# Altium PCB nova34_sketch.PcbDoc (part 4 of 4) (continued)
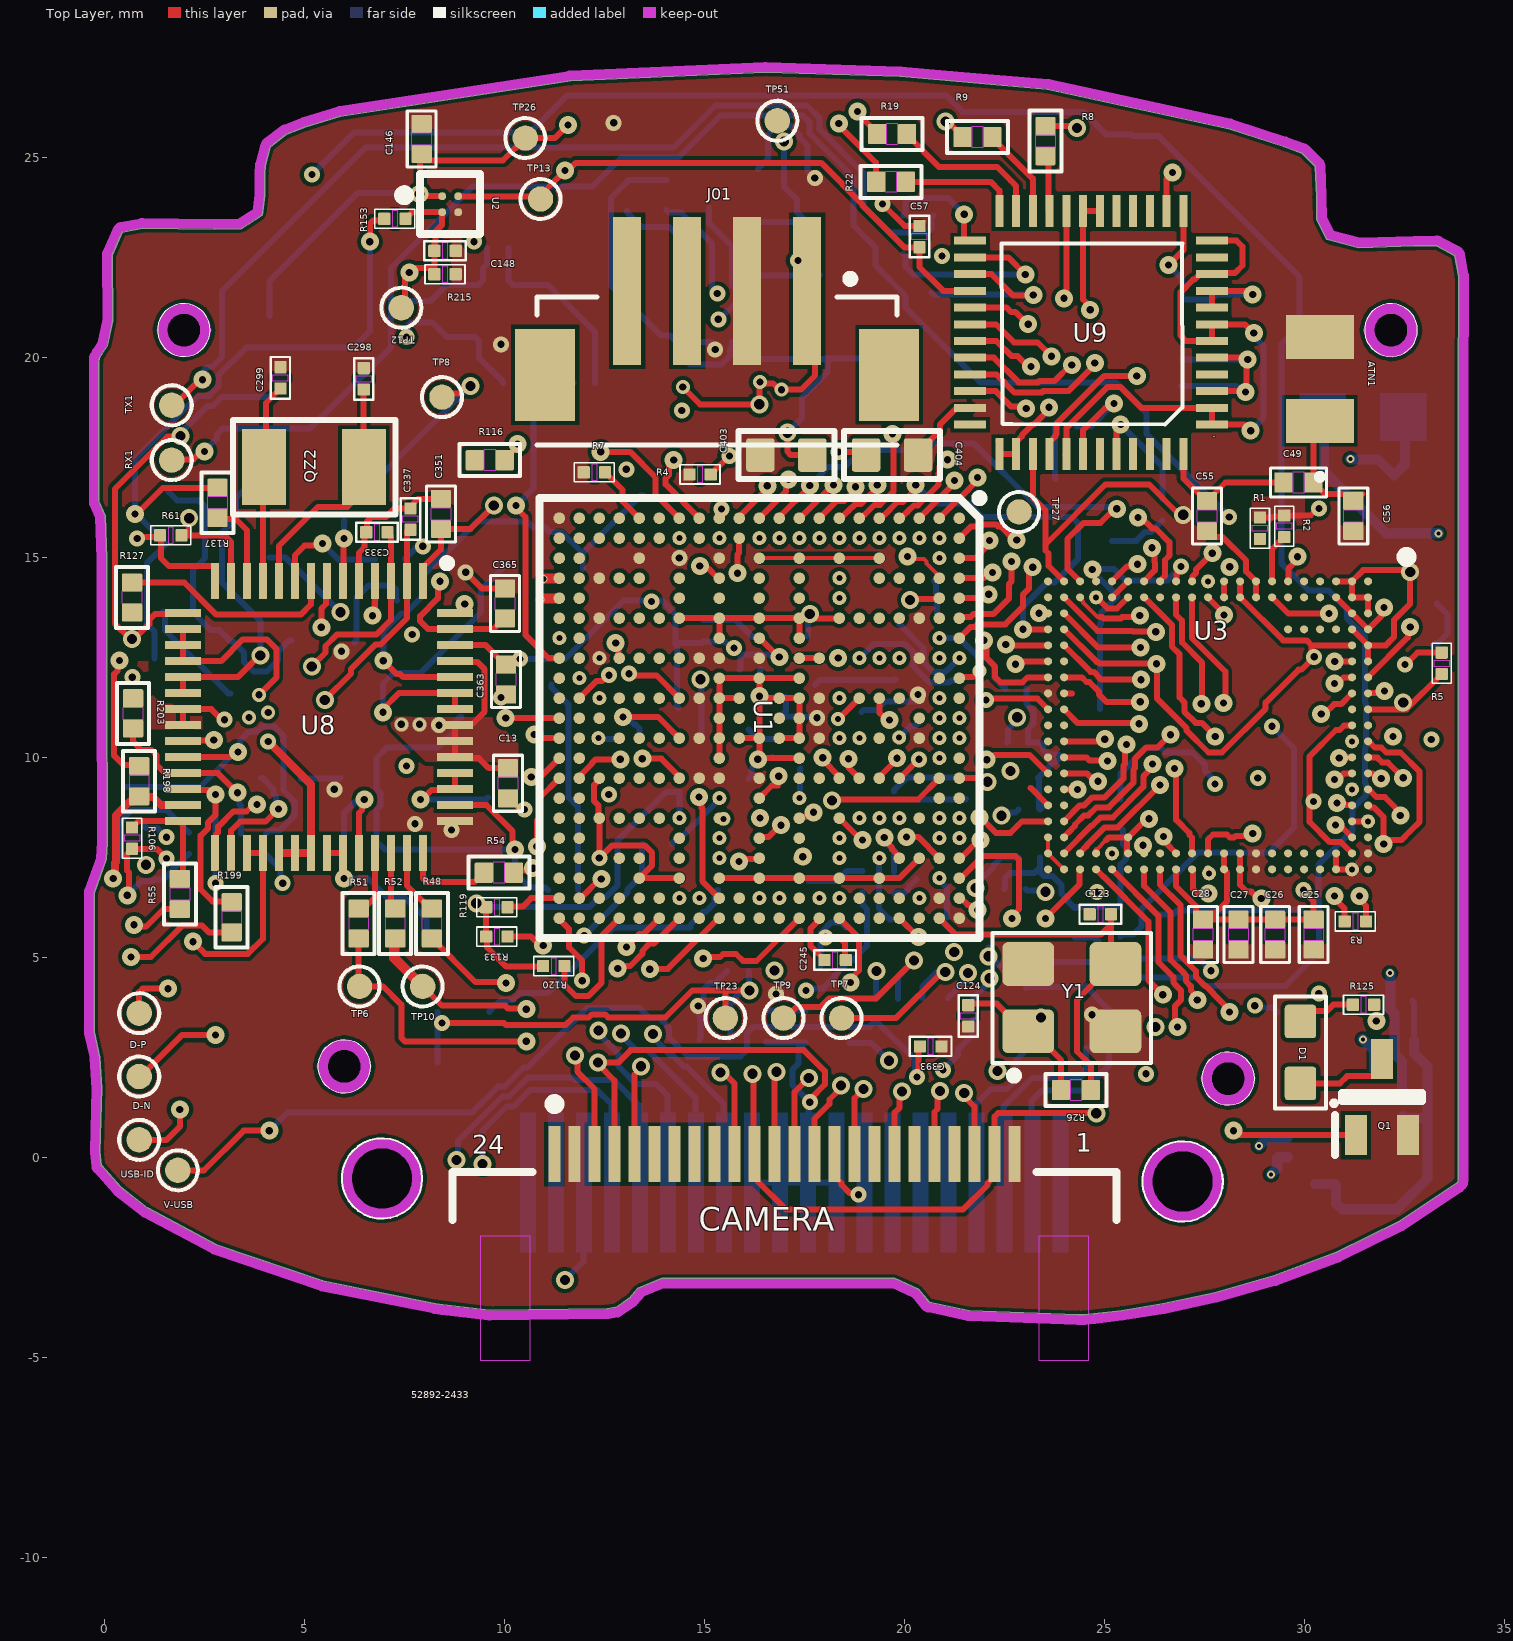
[diagram p0: Top Layer view]
## Polygon pours and split planes (outlines as drawn) (continued)
NVCC_DRAM on Bottom Layer "NVCC_DRAM_L08_P032" (solid, pour order 32): 24.232,14.326 24.333,14.427 25.095,14.427 25.095,11.018 24.923,10.846 24.206,10.846
VDD_1V8 on Bottom Layer "VDD_1V8_L08_P035" (solid, remove dead copper, pour order 35): 13.818,8.484 13.818,6.452 14.712,6.452 14.834,6.655 14.834,6.706 14.834,8.484
VDD_3V3 on Bottom Layer "VDD_3V3_L08_P036" (solid, pour order 36): 18.364,22.301 19.152,22.301 19.152,20.371 19.355,20.168 19.355,19.926 18.377,19.926 18.364,19.939
VDD_3V3 on Bottom Layer "VDD_3V3_L08_P037" (solid, remove dead copper, pour order 37): 13.767,20.777 14.275,20.777 14.275,20.091 14.427,19.939 17.983,19.939 17.983,19.66 13.767,19.66
NVCC_SNVS_1V8 on Bottom Layer "NVCC_SNVS_1V8_L08_P040" (solid, remove dead copper, pour order 40): 19.638,3.616 21.908,3.616 21.971,3.553 21.971,3.175 19.66,3.175 19.634,3.2
VDD_3V3 on Bottom Layer "VDD_3V3_L08_P039" (solid, remove dead copper, pour order 39): 3.204,7.807 4.346,7.807 4.346,7.445 4.14,7.239 3.2,7.239
VDD_1V8 on Bottom Layer "VDD_1V8_L08_P038" (solid, remove dead copper, pour order 38): 1.908,7.782 3.051,7.782 3.051,7.42 2.845,7.214 1.905,7.214
VDD_3V3 on Bottom Layer "VDD_3V3_L08_P034" (solid, remove dead copper, pour order 34): 15.545,20.625 15.875,20.625 15.875,20.168 19.329,20.168 19.355,20.193 19.355,19.66 15.646,19.66 15.545,19.761
NVCC_DRAM on Bottom Layer "NVCC_DRAM_L08_P021" (solid, remove dead copper, pour order 21): 26.728,21.641 26.712,21.625 26.712,18.495 27.181,18.495 27.661,18.974 27.661,21.641
VDD_ARM on Bottom Layer "VDD_ARM_L08_P009" (solid, remove dead copper, pour order 9): 26.619,12.465 26.645,12.49 29.87,12.49 29.87,13.614 29.896,13.64 29.743,13.792 26.619,13.792
VDD_1V8 on Int1 (Sign) "VDD_1V8_L02_P049" (solid, remove dead copper, pour order 49): -4.623,31.039 29.82,31.039 35.763,25.095 34.798,24.13 34.798,-3.734 -2.489,-3.734 -3.226,-2.997
VDD_3V3 on Int3 (Sign) "VDD_3V3_L04_P046" (solid, remove dead copper, pour order 46): -3.886,28.499 -3.632,28.245 35.408,28.245 35.408,0.127 31.877,-3.404 -3.759,-3.404
VDD_3V3 on Int4 (Sign) "VDD_3V3_L05_P048" (solid, remove dead copper, pour order 48): -3.378,28.905 -3.2,28.727 36.119,28.727 36.119,-0.991 33.35,-3.759 33.274,-3.683 -3.48,-3.683
GND on Int6 (Sign) "GND_L07_P050" (solid, remove dead copper, pour order 50): -2.845,28.753 -1.905,29.693 36.068,29.693 36.068,-3.912 35.89,-4.089 35.433,-3.632 -1.321,-3.632
GND on Int5 (PWR) "GND_L06_P051" (solid, remove dead copper, pour order 51): -2.787,29.336 35.922,29.336 36.278,28.98 36.202,28.904 36.202,-2.541 -1.086,-2.541 -2.61,-1.017

## Keep-outs
Keep-Out Layer:
  lines w0.254: 2.745,23.327 2.746,23.327 ; 2.747,23.327 2.746,23.327 ; 30.425,24.004 ccw(c30.298,24.004) 30.425,24.005 ; -0.393,3.137 ccw(c-0.266,3.137) -0.39,3.109 ; -0.393,3.137 ccw(c-0.266,3.137) -0.39,3.109 ; -0.393,3.137 -0.393,6.605 ; -0.393,6.605 cw(c-0.266,6.605) -0.385,6.648 ; -0.393,6.605 cw(c-0.266,6.605) -0.385,6.648 ; -0.39,3.109 -0.247,2.481 -0.198,1.714 -0.244,0.14 ; -0.385,6.648 -0.087,7.474 -0.067,7.866 -0.078,11.905 ; -0.269,16.394 ccw(c-0.142,16.394) -0.259,16.344 -0.258,16.343 ; -0.269,16.394 ccw(c-0.142,16.394) -0.258,16.343 ; -0.269,16.394 -0.269,19.88 ; -0.269,19.88 cw(c-0.142,19.88) -0.268,19.891 ; -0.269,19.88 cw(c-0.142,19.88) -0.268,19.891 ; -0.268,19.891 -0.261,19.972 ; -0.268,19.891 -0.268,19.891 ; -0.261,19.972 cw(c-0.135,19.961) -0.246,20.023 ; -0.261,19.972 cw(c-0.135,19.961) -0.246,20.023 -0.246,20.023 ; -0.261,19.972 -0.261,19.972 ; -0.258,16.343 -0.112,16.001 -0.077,14.957 -0.078,11.905 ; -0.246,20.023 -0.189,20.125 ; -0.243,0.123 cw(c-0.117,0.136) -0.244,0.14 ; -0.243,0.123 cw(c-0.117,0.136) -0.244,0.14 ; -0.243,0.123 -0.208,-0.217 ; -0.208,-0.217 ccw(c-0.082,-0.204) -0.176,-0.289 ; -0.208,-0.217 ccw(c-0.082,-0.204) -0.176,-0.289 -0.176,-0.289 ; -0.189,20.126 cw(c-0.078,20.064) -0.184,20.135 ; -0.189,20.125 cw(c-0.078,20.064) -0.184,20.135 -0.183,20.135 ; -0.189,20.125 -0.189,20.126 ; -0.183,20.135 -0.049,20.337 0.075,20.927 0.061,22.553 ; -0.176,-0.289 0.316,-0.838 ; -0.078,11.905 ccw(c0.05,11.905) -0.078,11.905 ; -0.078,11.905 ccw(c0.05,11.905) -0.078,11.905 ; 0.061,22.554 cw(c0.188,22.555) 0.072,22.606 ; 0.061,22.553 cw(c0.188,22.555) 0.071,22.606 ; 0.061,22.553 0.061,22.554 ; 0.072,22.606 0.323,23.176 ; 0.071,22.606 0.072,22.606 ; 0.316,-0.838 ccw(c0.411,-0.753) 0.333,-0.853 ; 0.316,-0.838 ccw(c0.411,-0.753) 0.333,-0.853 ; 0.316,-0.838 0.316,-0.838 ; 0.323,23.176 cw(c0.439,23.125) 0.416,23.25 ; 0.323,23.176 cw(c0.439,23.125) 0.416,23.25 ; 0.323,23.176 0.323,23.176 ; 0.333,-0.853 0.995,-1.37 ; 0.416,23.25 0.922,23.346 ; 0.922,23.346 cw(c0.946,23.221) 0.947,23.348 ; 0.922,23.346 cw(c0.946,23.221) 0.947,23.348 ; 0.947,23.348 2.746,23.327 ; 0.995,-1.37 ccw(c1.073,-1.27) 1.014,-1.382 ; 0.995,-1.37 ccw(c1.073,-1.27) 1.014,-1.382 ; 1.014,-1.382 2.732,-2.3 ; 1.445,20.67 ccw(c1.321,20.694) 1.448,20.694 ; 1.445,20.67 cw(c1.321,20.646) 1.448,20.646 ; 1.445,20.67 cw(c1.321,20.646) 1.448,20.646 ; 1.445,20.67 ccw(c1.321,20.694) 1.448,20.694 ; 1.448,20.646 1.448,20.623 1.468,20.52 1.509,20.423 1.567,20.336 1.582,20.321 ; 1.448,20.694 1.448,20.728 1.468,20.831 1.509,20.928 1.567,21.016 1.589,21.038 ; 1.582,20.321 cw(c1.492,20.231) 1.604,20.291 ; 1.582,20.321 1.582,20.321 cw(c1.492,20.231) 1.604,20.291 ; 1.59,21.039 ccw(c1.5,21.128) 1.602,21.052 ; 1.589,21.038 ccw(c1.5,21.128) 1.602,21.052 ; 1.589,21.038 1.59,21.039 ; 1.602,21.052 ccw(c1.525,21.153) 1.615,21.064 ; 1.602,21.052 ccw(c1.525,21.153) 1.615,21.064 1.615,21.064 ; 1.604,20.291 cw(c1.544,20.178) 1.635,20.268 ; 1.604,20.291 cw(c1.544,20.178) 1.634,20.268 ; 1.615,21.064 1.641,21.09 1.729,21.148 1.826,21.188 1.929,21.209 1.963,21.209 ; 1.634,20.268 1.635,20.268 ; 1.635,20.268 1.641,20.261 1.729,20.203 1.826,20.163 1.929,20.142 1.936,20.142 ; 1.936,20.142 cw(c1.936,20.015) 1.98,20.134 ; 1.936,20.142 cw(c1.936,20.015) 1.98,20.134 ; 1.963,21.209 ccw(c1.963,21.336) 1.98,21.21 ; 1.963,21.209 ccw(c1.963,21.336) 1.98,21.21 ; 1.98,20.134 cw(c2.024,20.015) 2.024,20.142 ; 1.98,20.134 cw(c2.024,20.015) 2.024,20.142 ; 1.98,21.21 ccw(c1.997,21.336) 1.997,21.209 ; 1.98,21.21 ccw(c1.997,21.336) 1.997,21.209 ; 1.997,21.209 2.034,21.209 2.137,21.188 2.234,21.148 2.321,21.09 2.348,21.063 ; 2.024,20.142 2.034,20.142 2.137,20.163 2.234,20.203 2.321,20.261 2.329,20.269 ; 2.329,20.27 cw(c2.419,20.18) 2.357,20.29 ; 2.329,20.269 cw(c2.419,20.18) 2.357,20.29 ; 2.329,20.269 2.329,20.27 ; 2.348,21.063 ccw(c2.439,21.152) 2.36,21.053 ; 2.348,21.063 2.349,21.062 ccw(c2.439,21.152) 2.36,21.053 ; 2.357,20.29 cw(c2.467,20.228) 2.378,20.318 ; 2.357,20.29 cw(c2.467,20.228) 2.377,20.318 ; 2.36,21.053 ccw(c2.459,21.131) 2.37,21.041 ; 2.36,21.053 ccw(c2.459,21.131) 2.369,21.042 ; 2.369,21.042 2.37,21.041 ; 2.37,21.041 2.395,21.016 2.454,20.928 2.494,20.831 2.515,20.728 2.515,20.69 ; 2.378,20.318 2.395,20.336 2.454,20.423 2.494,20.52 2.515,20.623 2.515,20.65 ; 2.377,20.318 2.378,20.318 ; 2.515,20.65 cw(c2.642,20.65) 2.516,20.67 ; 2.515,20.65 cw(c2.642,20.65) 2.516,20.67 ; 2.515,20.69 ccw(c2.642,20.69) 2.516,20.67 ; 2.515,20.69 ccw(c2.642,20.69) 2.516,20.67 ; 2.732,-2.3 ccw(c2.792,-2.188) 2.751,-2.308 ; 2.732,-2.3 ccw(c2.792,-2.188) 2.75,-2.308 ; 2.746,23.327 3.372,23.331 3.817,23.618 3.869,24.047 3.869,24.595 ; 2.751,-2.308 5.44,-3.229 ; 2.75,-2.308 2.751,-2.308 ; 3.869,24.595 cw(c3.996,24.595) 3.87,24.605 ; 3.869,24.595 cw(c3.996,24.595) 3.87,24.605 ; 3.87,24.605 3.884,24.792 ; 3.87,24.605 3.87,24.605 ; 3.884,24.793 cw(c4.01,24.783) 3.888,24.818 ; 3.884,24.792 cw(c4.01,24.783) 3.888,24.818 ; 3.884,24.792 3.884,24.793 ; 3.888,24.818 4.023,25.293 ; 4.023,25.293 cw(c4.145,25.258) 4.067,25.358 ; 4.023,25.293 cw(c4.145,25.258) 4.067,25.358 ; 4.067,25.358 cw(c4.145,25.258) 4.067,25.358 ; 4.067,25.358 4.067,25.358 ; 4.067,25.358 4.47,25.67 ; 4.067,25.358 4.067,25.358 ; 4.471,25.671 cw(c4.548,25.57) 4.503,25.689 ; 4.471,25.671 ccw(c4.548,25.57) 4.47,25.67 ; 4.471,25.671 cw(c4.548,25.57) 4.503,25.689 ; 4.471,25.671 4.471,25.671 ; 4.47,25.67 4.471,25.671 ; 4.503,25.689 cw(c4.548,25.57) 4.503,25.689 ; 4.503,25.689 4.503,25.689 ; 4.503,25.689 4.503,25.689 ; 4.503,25.689 4.988,25.876 ; 4.989,25.876 cw(c5.034,25.757) 4.997,25.879 ; 4.989,25.876 ccw(c5.034,25.757) 4.988,25.876 ; 4.989,25.876 cw(c5.034,25.757) 4.997,25.879 ; 4.989,25.876 4.989,25.876 ; 4.988,25.876 4.989,25.876 ; 4.997,25.879 5.861,26.145 ; 5.44,-3.229 ccw(c5.481,-3.109) 5.457,-3.233 ; 5.44,-3.229 ccw(c5.481,-3.109) 5.457,-3.233 ; 5.44,-3.229 5.44,-3.229 ; 5.448,2.272 cw(c5.33,2.224) 5.457,2.224 ; 5.448,2.272 ccw(c5.33,2.32) 5.457,2.32 ; 5.448,2.272 cw(c5.33,2.224) 5.457,2.224 ; 5.448,2.272 ccw(c5.33,2.32) 5.457,2.32 ; 5.457,-3.233 8.247,-3.79 ; 5.457,2.224 5.457,2.215 5.478,2.112 5.518,2.015 5.576,1.928 5.582,1.922 ; 5.457,2.32 ccw(c5.33,2.32) 5.457,2.32 ; 5.457,2.32 ccw(c5.33,2.32) 5.457,2.32 ; 5.457,2.32 5.478,2.423 5.518,2.52 5.576,2.608 ; 5.576,2.608 ccw(c5.486,2.697) 5.604,2.649 ; 5.576,2.608 ccw(c5.486,2.697) 5.604,2.649 ; 5.582,1.922 cw(c5.492,1.832) 5.604,1.893 ; 5.582,1.922 5.582,1.922 cw(c5.492,1.832) 5.604,1.893 ; 5.604,2.649 ccw(c5.486,2.697) 5.604,2.65 ; 5.604,2.649 5.605,2.65 ; 5.604,1.893 cw(c5.543,1.781) 5.633,1.871 ; 5.604,1.893 cw(c5.543,1.781) 5.633,1.871 5.633,1.871 ; 5.604,2.65 ccw(c5.486,2.697) 5.604,2.65 ; 5.604,2.65 ccw(c5.557,2.768) 5.607,2.651 ; 5.604,2.65 ccw(c5.557,2.768) 5.604,2.65 ; 5.605,2.65 5.607,2.651 ; 5.604,2.65 5.605,2.65 ; 5.607,2.651 ccw(c5.557,2.768) 5.648,2.679 ; 5.607,2.651 ccw(c5.557,2.768) 5.647,2.678 ; 5.633,1.871 5.651,1.853 5.738,1.795 5.835,1.755 5.938,1.734 5.961,1.734 ; 5.648,2.679 5.651,2.682 5.738,2.74 5.835,2.78 5.938,2.801 ; 5.647,2.678 5.648,2.679 ; 5.861,26.145 cw(c5.899,26.023) 5.88,26.149 ; 5.861,26.145 cw(c5.899,26.023) 5.879,26.149 5.88,26.149 ; 5.88,26.149 11.627,27.032 ; 5.938,2.801 ccw(c5.938,2.928) 5.98,2.808 ; 5.938,2.801 ccw(c5.938,2.928) 5.98,2.808 ; 5.938,2.801 ccw(c5.938,2.928) 5.938,2.801 ; 5.938,2.801 5.938,2.801 ; 5.961,1.734 cw(c5.961,1.607) 5.98,1.733 ; 5.961,1.734 cw(c5.961,1.607) 5.98,1.733 ; 5.98,1.733 cw(c5.999,1.607) 5.999,1.734 ; 5.98,1.733 cw(c5.999,1.607) 5.999,1.734 ; 5.98,2.808 ccw(c6.022,2.928) 6.022,2.801 ; 5.98,2.808 ccw(c6.022,2.928) 6.022,2.801 ; 5.999,1.734 6.043,1.734 6.146,1.755 6.243,1.795 6.331,1.853 6.405,1.928 6.463,2.015 6.504,2.112 6.524,2.215 6.524,2.268 6.524,2.32 6.504,2.423 6.463,2.52 6.405,2.608 6.37,2.642 ; 6.022,2.801 6.043,2.801 6.146,2.78 6.243,2.74 6.331,2.682 6.347,2.666 ; 6.347,2.665 ccw(c6.437,2.755) 6.359,2.655 ; 6.347,2.666 ccw(c6.437,2.755) 6.359,2.655 ; 6.347,2.666 6.347,2.665 ; 6.359,2.655 ccw(c6.46,2.733) 6.37,2.642 ; 6.359,2.655 ccw(c6.46,2.733) 6.37,2.643 ; 6.37,2.643 6.37,2.642 ; 8.247,-3.79 ccw(c8.272,-3.665) 8.253,-3.791 8.253,-3.791 ; 8.247,-3.79 ccw(c8.272,-3.665) 8.253,-3.791 ; 8.253,-3.791 8.437,-3.819 ; 8.437,-3.819 ccw(c8.456,-3.694) 8.441,-3.82 ; 8.437,-3.819 ccw(c8.456,-3.694) 8.441,-3.82 ; 8.437,-3.819 8.437,-3.819 ; 8.441,-3.82 9.608,-3.959 ; 9.608,-3.959 ccw(c9.623,-3.833) 9.625,-3.96 ; 9.608,-3.959 ccw(c9.623,-3.833) 9.625,-3.96 ; 9.625,-3.96 12.564,-3.923 ; 9.625,-3.96 9.625,-3.96 ; 11.627,27.032 cw(c11.647,26.907) 11.641,27.034 ; 11.627,27.032 cw(c11.647,26.907) 11.641,27.034 ; 11.627,27.032 11.627,27.032 ; 11.641,27.034 16.511,27.254 ; 12.564,-3.923 ccw(c12.563,-3.796) 12.585,-3.921 ; 12.564,-3.923 ccw(c12.563,-3.796) 12.585,-3.921 ; 12.564,-3.923 12.564,-3.923 ; 12.585,-3.921 12.803,-3.883 ; 12.803,-3.883 ccw(c12.78,-3.758) 12.852,-3.863 ; 12.803,-3.883 ccw(c12.78,-3.758) 12.852,-3.863 12.852,-3.863 ; 12.852,-3.863 13.186,-3.636 ; 13.187,-3.636 ccw(c13.115,-3.531) 13.212,-3.613 ; 13.186,-3.636 ccw(c13.115,-3.531) 13.212,-3.613 ; 13.186,-3.636 13.187,-3.636 ; 13.212,-3.613 13.409,-3.382 13.962,-3.158 16.477,-3.158 19.723,-3.158 20.267,-3.404 20.517,-3.71 ; 16.511,27.254 cw(c16.517,27.127) 16.521,27.254 ; 16.511,27.254 cw(c16.517,27.127) 16.521,27.254 ; 16.521,27.254 19.896,27.143 ; 19.896,27.143 cw(c19.892,27.016) 19.903,27.143 ; 19.896,27.143 cw(c19.892,27.016) 19.903,27.143 ; 19.903,27.143 21.165,27.032 23.573,26.826 ; 20.517,-3.71 ccw(c20.615,-3.63) 20.588,-3.754 ; 20.517,-3.71 ccw(c20.615,-3.63) 20.588,-3.754 ; 20.517,-3.71 20.517,-3.71 ; 20.588,-3.754 21.588,-3.97 ; 21.588,-3.97 ccw(c21.614,-3.846) 21.61,-3.973 ; 21.588,-3.97 ccw(c21.614,-3.846) 21.61,-3.973 ; 21.61,-3.973 24.33,-4.069 ; 21.61,-3.973 21.61,-3.973 ; 23.574,26.826 cw(c23.563,26.7) 23.59,26.824 ; 23.574,26.826 ccw(c23.563,26.7) 23.573,26.826 ; 23.574,26.826 cw(c23.563,26.7) 23.59,26.824 ; 23.574,26.826 23.574,26.826 ; 23.573,26.826 23.574,26.826 ; 23.59,26.824 28.131,25.836 ; 23.59,26.824 23.59,26.824 ; 24.331,-4.069 ccw(c24.335,-3.942) 24.339,-4.069 ; 24.33,-4.069 ccw(c24.335,-3.942) 24.338,-4.069 ; 24.33,-4.069 24.331,-4.069 ; 24.339,-4.069 24.49,-4.065 ; 24.338,-4.069 24.339,-4.069 ; 24.49,-4.065 ccw(c24.488,-3.938) 24.499,-4.065 ; 24.49,-4.065 24.491,-4.065 ccw(c24.488,-3.938) 24.498,-4.065 ; 24.498,-4.065 ccw(c24.488,-3.938) 24.499,-4.065 ; 24.499,-4.065 24.743,-4.043 ; 24.499,-4.065 24.499,-4.065 ; 24.498,-4.065 24.499,-4.065 ; 24.743,-4.043 ccw(c24.732,-3.917) 24.747,-4.043 ; 24.743,-4.043 ccw(c24.732,-3.917) 24.743,-4.043 ; 24.743,-4.043 ccw(c24.732,-3.917) 24.747,-4.043 ; 24.743,-4.043 24.743,-4.043 ; 24.743,-4.043 24.743,-4.043 ; 24.747,-4.043 25.431,-3.961 ; 25.431,-3.961 ccw(c25.416,-3.835) 25.436,-3.961 25.437,-3.961 ; 25.431,-3.961 ccw(c25.416,-3.835) 25.437,-3.961 ; 25.437,-3.961 26.47,-3.794 ; 26.47,-3.794 ccw(c26.45,-3.669) 26.477,-3.793 ; 26.47,-3.794 26.47,-3.794 ccw(c26.45,-3.669) 26.477,-3.793 ; 26.477,-3.793 27.777,-3.513 ; 26.477,-3.793 26.477,-3.793 ; 27.546,1.968 cw(c27.428,1.92) 27.555,1.92 ; 27.546,1.968 ccw(c27.428,2.015) 27.555,2.015 ; 27.546,1.968 ccw(c27.428,2.015) 27.555,2.015 ; 27.546,1.968 cw(c27.428,1.92) 27.555,1.92 ; 27.555,1.92 27.555,1.91 27.576,1.807 27.616,1.71 27.674,1.623 27.68,1.617 ; 27.555,2.015 ccw(c27.428,2.015) 27.555,2.015 ; 27.555,2.015 ccw(c27.428,2.015) 27.555,2.015 ; 27.555,2.015 27.576,2.118 27.616,2.215 27.674,2.303 ; 27.674,2.303 ccw(c27.584,2.393) 27.702,2.344 ; 27.674,2.303 ccw(c27.584,2.393) 27.702,2.344 ; 27.68,1.617 cw(c27.59,1.527) 27.702,1.588 ; 27.68,1.617 27.68,1.617 cw(c27.59,1.527) 27.702,1.588 ; 27.702,2.344 ccw(c27.584,2.393) 27.702,2.345 ; 27.702,2.344 27.703,2.345 ; 27.702,1.588 cw(c27.641,1.477) 27.731,1.566 ; 27.702,1.588 cw(c27.641,1.477) 27.731,1.566 27.731,1.566 ; 27.702,2.345 ccw(c27.655,2.463) 27.705,2.346 ; 27.702,2.345 ccw(c27.655,2.463) 27.702,2.345 ; 27.702,2.345 ccw(c27.584,2.393) 27.702,2.345 ; 27.703,2.345 27.705,2.346 ; 27.702,2.345 27.703,2.345 ; 27.705,2.346 ccw(c27.655,2.463) 27.746,2.374 ; 27.705,2.346 ccw(c27.655,2.463) 27.745,2.374 ; 27.731,1.566 27.749,1.548 27.836,1.49 27.933,1.45 28.036,1.429 28.059,1.429 ; 27.746,2.374 27.749,2.377 27.836,2.435 27.933,2.476 28.036,2.496 ; 27.745,2.374 27.746,2.374 ; 27.777,-3.513 ccw(c27.75,-3.389) 27.785,-3.511 ; 27.777,-3.513 ccw(c27.75,-3.389) 27.785,-3.511 ; 27.777,-3.513 27.777,-3.513 ; 27.785,-3.511 ccw(c27.75,-3.389) 27.785,-3.511 ; 27.785,-3.511 29.262,-3.09 ; 27.785,-3.511 27.785,-3.511 ; 27.785,-3.511 27.785,-3.511 ; 27.827,-0.619 cw(c27.954,-0.619) 27.827,-0.615 ; 27.827,-0.619 cw(c27.954,-0.619) 27.827,-0.615 ; 27.827,-0.619 27.827,-0.696 27.793,-0.866 27.727,-1.025 27.631,-1.169 27.509,-1.291 27.365,-1.388 27.205,-1.454 27.036,-1.487 26.863,-1.487 26.693,-1.454 26.534,-1.388 26.39,-1.291 26.268,-1.169 26.171,-1.025 26.105,-0.866 26.072,-0.696 26.072,-0.61 26.072,-0.523 26.105,-0.354 26.171,-0.194 26.268,-0.05 26.39,0.072 26.534,0.168 26.693,0.234 26.863,0.268 27.036,0.268 27.205,0.234 27.365,0.168 27.509,0.072 27.631,-0.05 27.727,-0.194 27.793,-0.354 27.827,-0.523 27.827,-0.61 ; 27.827,-0.615 cw(c27.954,-0.611) 27.827,-0.611 ; 27.827,-0.615 cw(c27.954,-0.611) 27.827,-0.611 ; 27.827,-0.61 ccw(c27.954,-0.611) 27.827,-0.611 ; 27.827,-0.61 cw(c27.954,-0.611) 27.827,-0.61 ; 27.827,-0.61 ccw(c27.954,-0.61) 27.827,-0.611 ; 27.827,-0.61 cw(c27.954,-0.61) 27.827,-0.61 ; 27.827,-0.611 27.827,-0.61 ; 28.036,2.496 ccw(c28.036,2.623) 28.078,2.503 ; 28.036,2.496 ccw(c28.036,2.623) 28.036,2.496 ; 28.036,2.496 ccw(c28.036,2.623) 28.078,2.503 ; 28.036,2.496 28.036,2.496 ; 28.059,1.429 cw(c28.059,1.302) 28.078,1.428 ; 28.059,1.429 cw(c28.059,1.302) 28.078,1.428 ; 28.078,1.428 cw(c28.097,1.302) 28.097,1.429 ; 28.078,1.428 cw(c28.097,1.302) 28.097,1.429 ; 28.078,2.503 ccw(c28.12,2.623) 28.12,2.496 ; 28.078,2.503 ccw(c28.12,2.623) 28.12,2.496 ; 28.097,1.429 28.141,1.429 28.244,1.45 28.341,1.49 28.429,1.548 28.503,1.623 28.561,1.71 28.602,1.807 28.622,1.91 28.622,1.963 28.622,2.015 28.602,2.118 28.561,2.215 28.503,2.303 28.468,2.338 ; 28.12,2.496 28.141,2.496 28.244,2.476 28.341,2.435 28.429,2.377 28.445,2.361 ; 28.131,25.836 cw(c28.105,25.711) 28.144,25.832 ; 28.132,25.835 cw(c28.105,25.711) 28.144,25.832 ; 28.131,25.836 28.132,25.835 ; 28.144,25.832 29.511,25.386 ; 28.144,25.832 28.144,25.832 ; 28.445,2.36 ccw(c28.535,2.45) 28.457,2.35 ; 28.445,2.361 ccw(c28.535,2.45) 28.457,2.35 ; 28.445,2.361 28.445,2.36 ; 28.457,2.35 ccw(c28.558,2.428) 28.468,2.338 ; 28.457,2.35 ccw(c28.558,2.428) 28.468,2.338 ; 28.468,2.338 28.468,2.338 ; 29.263,-3.089 ccw(c29.228,-2.967) 29.272,-3.086 ; 29.262,-3.09 ccw(c29.228,-2.967) 29.263,-3.089 ; 29.263,-3.09 29.263,-3.089 ; 29.262,-3.09 29.263,-3.09 ; 29.263,-3.089 ccw(c29.228,-2.967) 29.272,-3.086 ; 29.272,-3.086 30.842,-2.502 ; 29.512,25.386 cw(c29.472,25.265) 29.516,25.384 ; 29.511,25.386 cw(c29.472,25.265) 29.516,25.384 ; 29.511,25.386 29.512,25.386 ; 29.516,25.384 29.977,25.216 ; 29.516,25.384 29.516,25.384 ; 29.977,25.216 cw(c29.934,25.097) 30.023,25.187 ; 29.977,25.216 cw(c29.934,25.097) 30.023,25.187 ; 29.977,25.216 29.977,25.216 ; 30.023,25.187 30.352,24.859 ; 30.352,24.859 cw(c30.262,24.769) 30.389,24.774 ; 30.352,24.859 cw(c30.262,24.769) 30.389,24.775 30.389,24.774 ; 30.389,24.774 30.424,24.01 ; 30.425,24.005 ccw(c30.298,24.004) 30.424,24.01 30.424,24.01 ; 30.425,24.005 ccw(c30.298,24.004) 30.424,24.01 ; 30.425,24.005 30.43,23.465 30.64,23.05 31.364,22.866 32.742,22.905 ; 30.842,-2.502 ccw(c30.797,-2.383) 30.854,-2.497 ; 30.842,-2.502 ccw(c30.797,-2.383) 30.854,-2.497 ; 30.854,-2.497 32.427,-1.717 ; 31.618,20.67 cw(c31.497,20.63) 31.624,20.63 ; 31.618,20.67 ccw(c31.497,20.71) 31.624,20.71 ; 31.618,20.67 ccw(c31.497,20.71) 31.624,20.71 ; 31.618,20.67 cw(c31.497,20.63) 31.624,20.63 ; 31.624,20.63 31.624,20.622 31.645,20.519 31.685,20.422 31.743,20.335 31.748,20.33 ; 31.624,20.71 31.624,20.727 31.645,20.83 31.685,20.927 31.743,21.015 31.754,21.025 ; 31.748,20.33 cw(c31.659,20.24) 31.775,20.291 ; 31.748,20.33 31.748,20.33 cw(c31.659,20.24) 31.775,20.291 ; 31.754,21.025 ccw(c31.665,21.116) 31.774,21.05 ; 31.754,21.025 31.755,21.026 ccw(c31.665,21.116) 31.774,21.05 ; 31.774,21.05 ccw(c31.708,21.159) 31.798,21.069 ; 31.774,21.05 ccw(c31.708,21.159) 31.798,21.069 ; 31.775,20.291 cw(c31.724,20.175) 31.814,20.264 ; 31.775,20.291 cw(c31.724,20.175) 31.814,20.264 ; 31.798,21.069 31.818,21.089 31.905,21.147 32.002,21.187 32.105,21.208 32.131,21.208 ; 31.798,21.069 31.798,21.069 ; 31.814,20.264 31.814,20.264 ; 31.814,20.264 31.818,20.26 31.905,20.202 32.002,20.162 32.105,20.141 32.109,20.141 ; 32.109,20.141 cw(c32.109,20.014) 32.15,20.134 ; 32.109,20.141 cw(c32.109,20.014) 32.15,20.134 ; 32.131,21.208 ccw(c32.131,21.335) 32.15,21.209 ; 32.131,21.208 ccw(c32.131,21.335) 32.15,21.209 ; 32.15,20.134 cw(c32.192,20.014) 32.192,20.141 ; 32.15,20.134 cw(c32.192,20.014) 32.192,20.141 ; 32.15,21.209 ccw(c32.17,21.335) 32.17,21.208 ; 32.15,21.209 ccw(c32.17,21.335) 32.17,21.208 ; 32.17,21.208 32.21,21.208 32.313,21.187 32.41,21.147 32.498,21.089 32.528,21.059 ; 32.192,20.141 32.21,20.141 32.313,20.162 32.41,20.202 32.498,20.26 32.512,20.274 ; 32.427,-1.717 ccw(c32.37,-1.603) 32.44,-1.709 ; 32.427,-1.717 ccw(c32.37,-1.603) 32.44,-1.709 ; 32.44,-1.709 33.865,-0.763 ; 32.512,20.275 cw(c32.602,20.185) 32.529,20.289 ; 32.512,20.274 cw(c32.602,20.185) 32.529,20.289 ; 32.512,20.274 32.512,20.275 ; 32.528,21.059 ccw(c32.618,21.148) 32.532,21.055 ; 32.528,21.059 32.528,21.058 ccw(c32.618,21.148) 32.532,21.055 ; 32.529,20.289 cw(c32.632,20.215) 32.543,20.305 ; 32.529,20.289 cw(c32.632,20.215) 32.542,20.305 ; 32.532,21.055 ccw(c32.626,21.141) 32.536,21.05 ; 32.532,21.055 ccw(c32.626,21.141) 32.536,21.051 ; 32.536,21.051 32.536,21.05 ; 32.536,21.05 32.572,21.015 32.63,20.927 32.671,20.83 32.691,20.727 32.691,20.675 ; 32.543,20.305 32.572,20.335 32.63,20.422 32.671,20.519 32.691,20.622 32.691,20.665 ; 32.542,20.305 32.543,20.305 ; 32.691,20.665 cw(c32.818,20.665) 32.691,20.67 ; 32.691,20.665 cw(c32.818,20.665) 32.691,20.67 ; 32.691,20.67 cw(c32.818,20.674) 32.691,20.674 ; 32.691,20.67 ccw(c32.818,20.665) 32.691,20.67 ; 32.691,20.67 cw(c32.818,20.674) 32.691,20.674 ; 32.691,20.67 cw(c32.818,20.675) 32.691,20.674 ; 32.691,20.67 ccw(c32.818,20.665) 32.691,20.67 ; 32.691,20.674 ccw(c32.818,20.674) 32.691,20.674 ; 32.691,20.675 ccw(c32.818,20.674) 32.691,20.674 ; 32.691,20.674 ccw(c32.818,20.675) 32.691,20.674 ; 32.691,20.675 ccw(c32.818,20.675) 32.691,20.674 ; 32.691,20.674 32.691,20.675 ; 32.691,20.674 32.691,20.675 ; 32.742,22.905 cw(c32.746,22.778) 32.744,22.905 ; 32.742,22.905 cw(c32.746,22.778) 32.744,22.905 ; 32.744,22.905 33.3,22.912 ; 33.3,22.912 cw(c33.301,22.785) 33.362,22.897 ; 33.3,22.912 cw(c33.301,22.785) 33.362,22.897 33.362,22.897 ; 33.362,22.897 33.819,22.649 ; 33.819,22.649 cw(c33.759,22.537) 33.884,22.559 ; 33.819,22.649 cw(c33.759,22.537) 33.884,22.559 ; 33.819,22.649 33.819,22.649 ; 33.865,-0.763 ccw(c33.794,-0.657) 33.885,-0.747 ; 33.865,-0.763 ccw(c33.794,-0.657) 33.884,-0.747 33.885,-0.747 ; 33.884,22.559 33.976,22.038 ; 33.885,-0.747 33.923,-0.709 ; 33.923,-0.708 ccw(c33.833,-0.618) 33.959,-0.639 ; 33.923,-0.709 ccw(c33.833,-0.618) 33.959,-0.639 ; 33.923,-0.709 33.923,-0.708 ; 33.959,-0.639 33.969,-0.576 ; 33.969,-0.576 ccw(c33.844,-0.555) 33.971,-0.555 ; 33.969,-0.576 ccw(c33.844,-0.555) 33.971,-0.555 ; 33.971,-0.555 33.971,1.55 33.971,18.973 ; 33.971,18.973 33.978,22.016 ; 33.971,18.973 33.971,18.973 ; 33.976,22.038 cw(c33.851,22.016) 33.978,22.016 ; 33.976,22.038 cw(c33.851,22.016) 33.978,22.016 ; 33.978,22.016 ccw(c33.851,22.016) 33.978,22.016 ; 33.978,22.016 ccw(c33.851,22.016) 33.978,22.016 ; 6.056,-0.62 6.056,-0.533 6.056,-0.447 6.09,-0.277 6.156,-0.118 6.252,0.026 6.375,0.148 6.518,0.245 6.678,0.311 6.848,0.344 7.021,0.344 7.19,0.311 7.35,0.245 7.494,0.148 7.616,0.026 7.712,-0.118 7.778,-0.277 7.812,-0.447 7.812,-0.533 7.812,-0.62 7.778,-0.789 7.712,-0.949 7.616,-1.093 7.494,-1.215 7.35,-1.311 7.19,-1.377 7.021,-1.411 6.848,-1.411 6.678,-1.377 6.518,-1.311 6.375,-1.215 6.252,-1.093 6.156,-0.949 6.09,-0.789 6.056,-0.62

## Other copper
Bottom Layer:
  rectangle net NetC62_2: 29.87,17.903 31.039,19.097
  rectangle net NetC62_1: 31.883,17.903 33.052,19.097
  region net Disp_l_1: 21.994,-2.382 21.994,1.118 21.594,1.118 21.594,-2.382
  region net GPIO1_IO15: 12.183,-2.382 12.183,1.118 11.783,1.118 11.783,-2.382
  region net VDD_3V3: 18.49,-2.382 18.49,1.118 18.09,1.118 18.09,-2.382
  region: 20.592,-2.382 20.592,1.118 20.192,1.118 20.192,-2.382
  region net GND: 11.482,-2.382 11.482,1.118 11.082,1.118 11.082,-2.382
  region net Desp_l_2: 22.695,-2.382 22.695,1.118 22.295,1.118 22.295,-2.382
  region net GND: 10.782,-2.382 10.782,1.118 10.382,1.118 10.382,-2.382
  region net GND: 19.191,-2.382 19.191,1.118 18.791,1.118 18.791,-2.382
  region net GPIO1_IO14: 15.687,-2.382 15.687,1.118 15.287,1.118 15.287,-2.382
  region net VDD_3V3: 17.089,-2.382 17.089,1.118 16.689,1.118 16.689,-2.382
  region net ECSPI2_SS0: 14.986,-2.382 14.986,1.118 14.586,1.118 14.586,-2.382
  region net ECSPI2_MISO: 13.585,-2.382 13.585,1.118 13.185,1.118 13.185,-2.382
  region net ECSPI2_MOSI: 12.884,-2.382 12.884,1.118 12.484,1.118 12.484,-2.382
  region net ECSPI2_SCLK: 14.285,-2.382 14.285,1.118 13.885,1.118 13.885,-2.382
  region net GND: 19.892,-2.382 19.892,1.118 19.492,1.118 19.492,-2.382
  region net VDD_3V3: 17.789,-2.382 17.789,1.118 17.389,1.118 17.389,-2.382
  region net VDD_3V3: 16.388,-2.382 16.388,1.118 15.988,1.118 15.988,-2.382
  region net NetD2_A: 23.396,-2.382 23.396,1.118 22.996,1.118 22.996,-2.382
  region: 21.293,-2.382 21.293,1.118 20.893,1.118 20.893,-2.382
  region: 24.096,-2.382 24.096,1.118 23.696,1.118 23.696,-2.382
Multi-Layer:
  pour cut-out: 26.023,-0.61 ccw(c26.949,-0.61) 26.949,-1.536 ccw(c26.949,-0.61) 27.876,-0.61 ccw(c26.949,-0.61) 26.949,0.317 ccw(c26.949,-0.61)

## Silkscreen, mask and mechanical layers (free items; w line width, h text height)
Top Overlay:
  circle w0.025: c5.991,2.268 r0.66
  circle w0.025: c28.089,1.963 r0.66
  circle w0.025: c32.158,20.675 r0.66
  circle w0.051: c6.934,-0.533 r1.005
  circle w0.025: c1.981,20.676 r0.66
  circle w0.051: c26.949,-0.61 r1.005
  pour cut-out: 27.428,1.963 ccw(c28.089,1.963) 28.089,1.302 ccw(c28.089,1.963) 28.749,1.963 ccw(c28.089,1.963) 28.089,2.623 ccw(c28.089,1.963)
  pour cut-out: 5.33,2.268 ccw(c5.991,2.268) 5.991,1.607 ccw(c5.991,2.268) 6.651,2.268 ccw(c5.991,2.268) 5.991,2.928 ccw(c5.991,2.268)
  pour cut-out: 1.321,20.676 ccw(c1.981,20.676) 1.981,20.015 ccw(c1.981,20.676) 2.642,20.676 ccw(c1.981,20.676) 1.981,21.336 ccw(c1.981,20.676)
  pour cut-out: 1.321,20.676 ccw(c1.981,20.676) 1.981,20.015 ccw(c1.981,20.676) 2.642,20.676 ccw(c1.981,20.676) 1.981,21.336 ccw(c1.981,20.676)
  pour cut-out: 1.321,20.676 ccw(c1.981,20.676) 1.981,20.015 ccw(c1.981,20.676) 2.642,20.676 ccw(c1.981,20.676) 1.981,21.336 ccw(c1.981,20.676)
  pour cut-out: 1.321,20.676 ccw(c1.981,20.676) 1.981,20.015 ccw(c1.981,20.676) 2.642,20.676 ccw(c1.981,20.676) 1.981,21.336 ccw(c1.981,20.676)
  pour cut-out: 25.945,-0.61 ccw(c26.949,-0.61) 26.949,-1.614 ccw(c26.949,-0.61) 27.954,-0.61 ccw(c26.949,-0.61) 26.949,0.395 ccw(c26.949,-0.61)
  text "1" at 24.282,-0.025 h0.8
  text "24" at 9.194,-0.076 h0.8
Bottom Overlay:
  text "P" at 30.502,19.304 h0.3
  text "N" at 32.528,19.308 h0.3
  text "1" at 10.363,-3.099 h0.8
  text "20" at 24.461,-3.099 h0.8
Mechanical 1:
  lines w0.013: -0.266,3.137 -0.266,6.605 0.039,7.448 0.06,7.863 0.05,11.905 0.05,14.959 0.014,16.029 -0.142,16.394 -0.142,19.88 -0.135,19.961 -0.078,20.064 0.071,20.287 0.202,20.914 0.188,22.555 0.439,23.125 0.946,23.221 2.746,23.2 3.41,23.204 3.936,23.543 3.996,24.039 3.996,24.595 4.01,24.783 4.145,25.258 4.548,25.57 5.034,25.757 5.899,26.023 11.647,26.907 16.517,27.127 19.892,27.016 21.154,26.905 23.563,26.7 28.105,25.711 29.472,25.265 29.934,25.097 30.262,24.769 30.298,24.004 30.303,23.434 30.553,22.941 31.35,22.739 32.746,22.778 33.301,22.785 33.759,22.537 33.752,22.541 33.851,22.016 33.844,18.973 33.844,1.55 33.844,-0.555 33.833,-0.618 33.794,-0.657 32.37,-1.603 30.797,-2.383 29.228,-2.967 27.75,-3.389 26.45,-3.669 25.416,-3.835 24.732,-3.917 24.488,-3.938 24.335,-3.942 21.614,-3.846 20.615,-3.63 20.346,-3.3 19.751,-3.031 16.477,-3.031 13.937,-3.031 13.332,-3.276 13.115,-3.531 12.78,-3.758 12.563,-3.796 9.623,-3.833 8.456,-3.694 8.272,-3.665 5.481,-3.109 2.792,-2.188 1.073,-1.27 0.411,-0.753 -0.082,-0.204 -0.117,0.136 -0.071,1.716 -0.121,2.499 -0.266,3.137 ; 1.311,20.67 1.507,20.194 1.98,19.997 2.453,20.194 2.65,20.67 2.453,21.146 1.98,21.343 1.507,21.146 1.311,20.67 ; 5.311,2.272 5.507,1.796 5.98,1.599 6.453,1.796 6.65,2.272 6.453,2.748 5.98,2.946 5.507,2.747 5.311,2.272 ; 5.934,-0.541 6.225,-1.241 6.926,-1.533 7.627,-1.241 7.918,-0.541 7.627,0.16 6.926,0.451 6.225,0.16 5.934,-0.541 ; 25.972,-0.615 26.263,-1.316 26.964,-1.607 27.664,-1.316 27.956,-0.615 27.664,0.086 26.964,0.377 26.263,0.086 25.972,-0.615 ; 27.106,1.957 27.297,1.466 27.757,1.263 28.377,1.263 28.839,1.466 29.029,1.957 28.838,2.448 28.377,2.652 27.757,2.652 27.296,2.448 27.106,1.957 ; 31.481,20.67 31.678,20.194 32.151,19.997 32.623,20.194 32.82,20.67 32.623,21.146 32.151,21.343 31.678,21.146 31.481,20.67

## Dimensions
6.934,0.471 to 26.9,-1.614 on Top Overlay

## Text inside footprints (layer, text, board x,y; h text height)
L5: Mechanical 46 "2" at 11.851,9.063 h0.3 r180; Mechanical 46 "1" at 9.832,9.08 h0.3 r180
L6: Mechanical 46 "2" at 5.776,5.567 h0.3; Mechanical 46 "1" at 7.796,5.55 h0.3
L11: Mechanical 46 "1" at 4.203,16.762 h0.3 r90; Mechanical 46 "2" at 4.186,14.742 h0.3 r90
L13: Mechanical 46 "1" at 4.026,19.255 h0.3 r270; Mechanical 46 "2" at 4.043,21.275 h0.3 r270
L15: Mechanical 46 "1" at 10.188,14.795 h0.3 r180; Mechanical 46 "2" at 12.207,14.778 h0.3 r180
L16: Mechanical 46 "2" at 3.996,5.66 h0.3 r180; Mechanical 46 "1" at 1.977,5.677 h0.3 r180